# Altium PCB RX5808_TOP.PcbDoc
Units mm, origin at the board's own origin, x right, y up, seen from the top; angles counter-clockwise.
Board outline 34.01 x 28 mm, 2 copper layers (Top Layer, Bottom Layer); 45 components, 42 nets, 189 pads, 160 vias.
Unrouted connection lines stored in the file: 113.
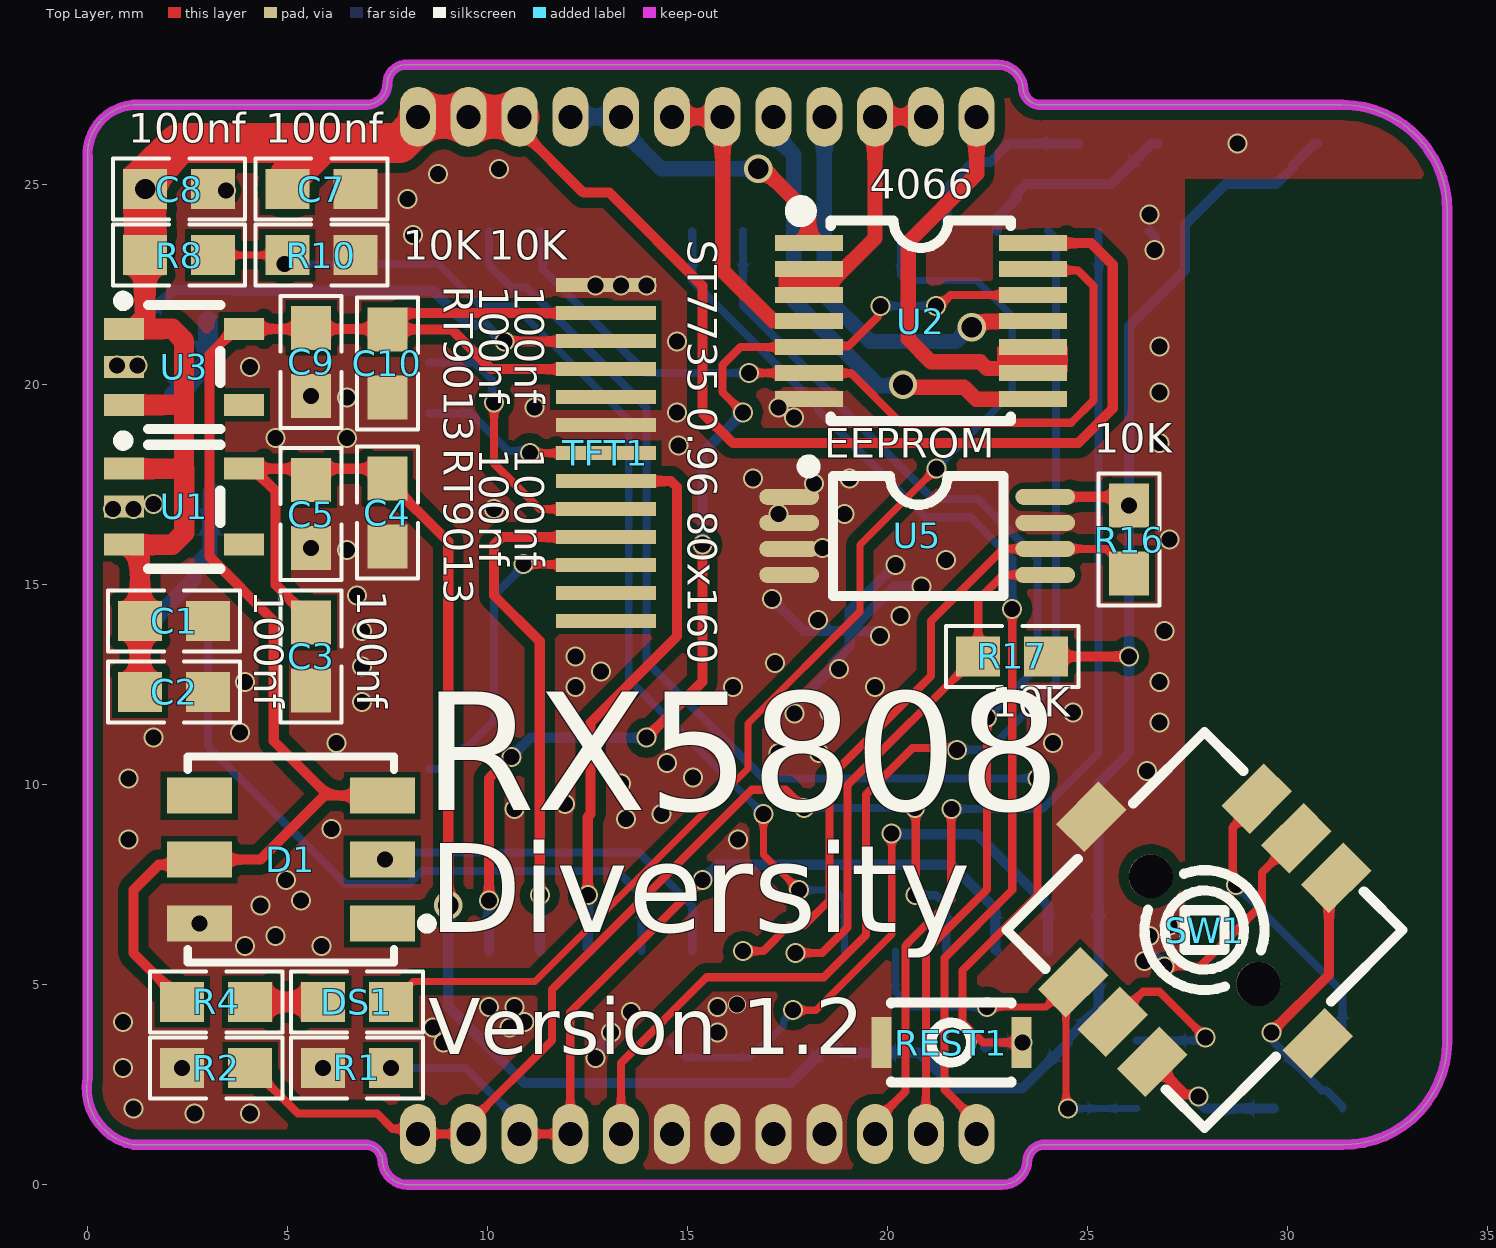
[diagram p0: Top Layer view]
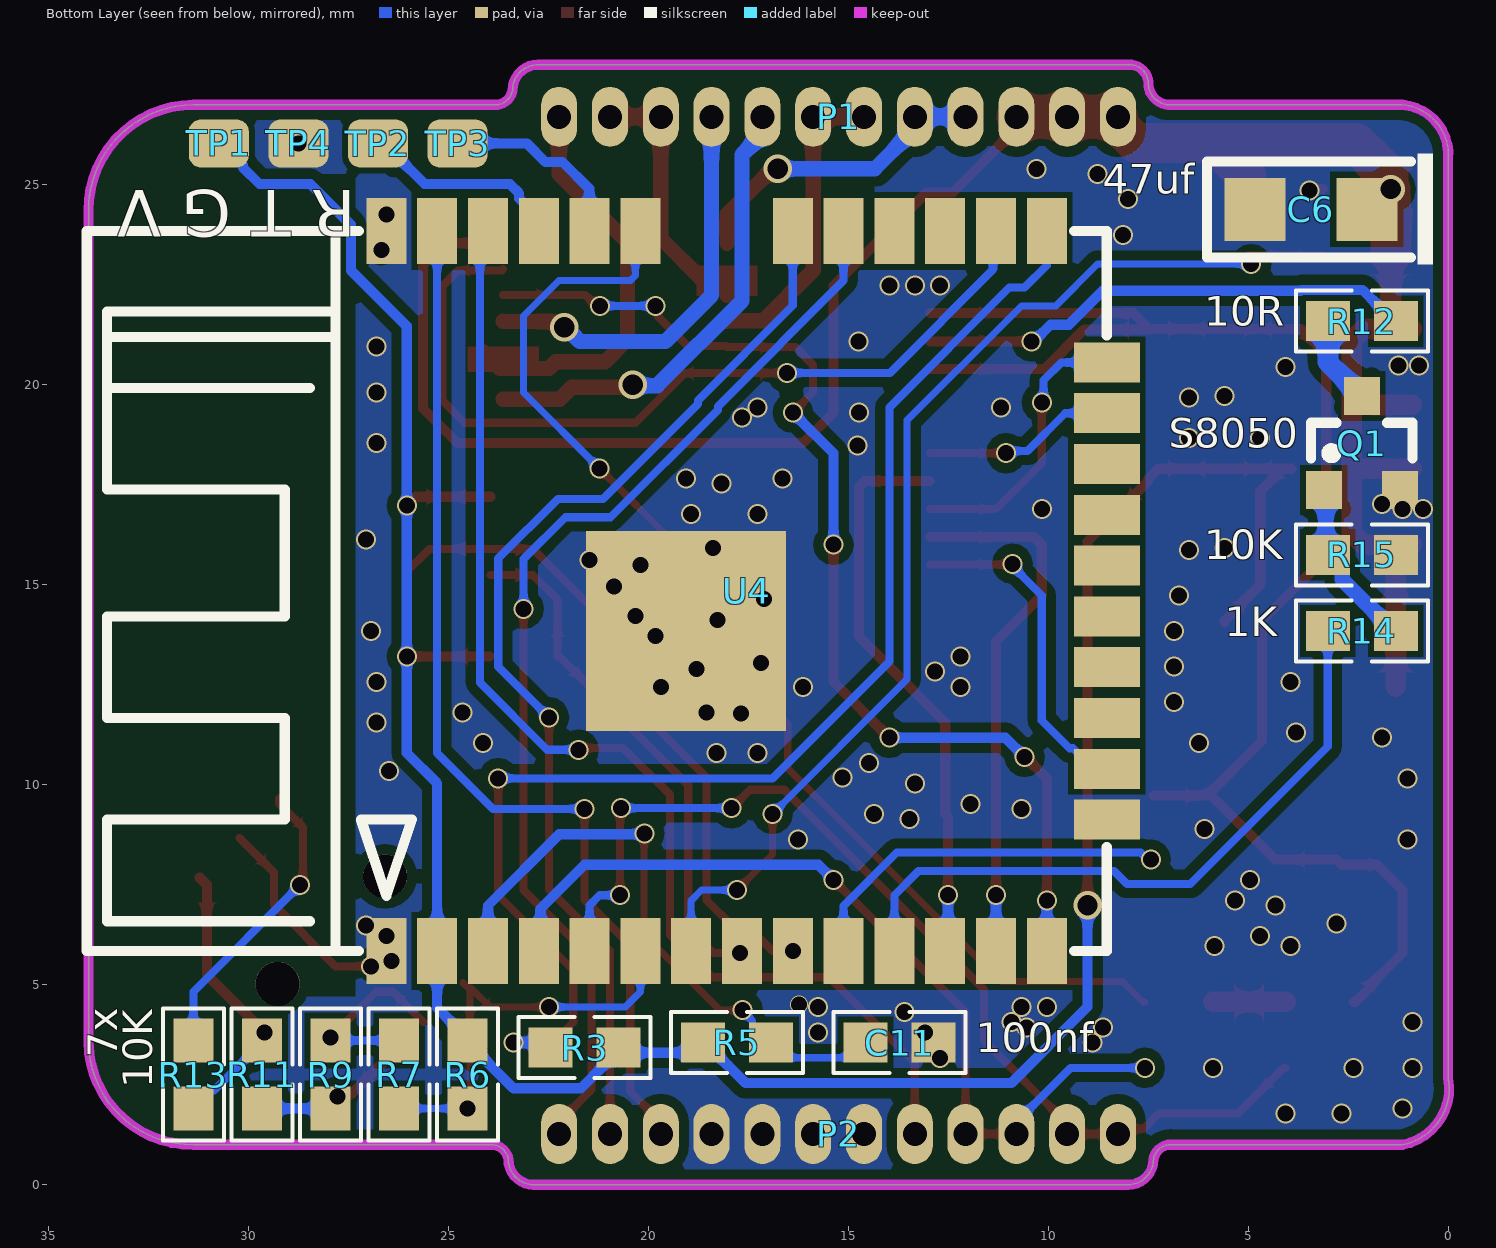
[diagram p1: Bottom Layer view, seen from below]

## Layer stack, top to bottom
Top Solder: solder mask 0.0102, Solder Resist, Dk 3.5
Top Layer: signal copper 0.0356
Dielectric 1: dielectric 0.32, FR-4, Dk 4.8
Bottom Layer: signal copper 0.0356
Bottom Solder: solder mask 0.0102, Solder Resist, Dk 3.5

## Board outline
1.143,1 cw(c1.405,2.405) 0,2.667 0,25.654 cw(c1.244,25.755) 1.143,27 6.985,27 ccw(c6.959,27.533) 7.493,27.559 cw(c7.967,27.525) 8.001,28 22.755,28 cw(c22.755,27.365) 23.39,27.365 ccw(c23.826,27.436) 23.898,27 31.369,27 cw(c31.361,24.37) 33.991,24.361 33.991,14.351 33.991,3.57 cw(c31.395,3.596) 31.369,1 24.003,1 ccw(c23.931,0.564) 23.495,0.635 cw(c22.86,0.635) 22.86,0 8.001,0 cw(c8.001,0.635) 7.366,0.635 ccw(c6.93,0.564) 6.858,1

## Design rules (kind name [scope] priority, off if disabled: settings)
Clearance [All] p1: gap=0.254 ignorepadtopadclearanceinfootprint=FALSE except(0: Arc-Hole Track-Hole SMDPad-Hole THPad-Hole Via-Hole Fill-Hole Poly-Hole Region-Hole Text-Hole; 0.152: Arc-SMDPad Track-SMDPad SMDPad-SMDPad SMDPad-Fill SMDPad-Poly SMDPad-Region)
ComponentClearance [All] p1: gap=0 collisioncheckmode=3 verticalgap=0 showdistances=FALSE
MinimumSolderMaskSliver [All] p1: minsoldermaskwidth=0.152
PolygonConnect [All] p1: connectstyle=Direct reliefconductorwidth=0.254 reliefentries=4 polygonreliefangle="90 Angle" airgapwidth=0.254
RoutingVias [All] p1: holewidth=0.711 width=1.27 viastyle="Through Hole" minholewidth=0.711 minwidth=1.27 maxholewidth=0.711 maxwidth=1.27
SilkToSolderMaskClearance [IsPad] p1: minsilkscreentomaskgap=0 clearancetoexposedcopper=TRUE
SolderMaskExpansion [All] p1: expansion=0.102 istentingtop=FALSE
Width [All] p1: maxlimit=5.08 minlimit=0.152 preferedwidth=0.254
27 further rules are at their usual default settings.

## Components (designator, comment, footprint, x,y, rotation, side; value= is the part's Value field where it differs from the comment)
C1 "Cap" 0603_CAP 2.159,14.097 r180 top value=100nF
C2 "Cap" 0603_CAP 2.159,12.319 r0 top value=100nF
C3 "Cap" 0603_CAP 5.588,13.208 r270 top value=100nF
C4 "Cap" 0603_CAP 7.493,16.803 r90 top value=100nF
C5 "Cap" 0603_CAP 5.588,16.764 r90 top value=100nF
C6 "Cap Pol" CAP-3216 3.429,24.384 r0 bottom value=100uF
C7 "Cap" 0603_CAP 5.842,24.892 r180 top value=100nF
C8 "Cap" 0603_CAP 2.286,24.892 r0 top value=100nF
C9 "Cap" 0603_CAP 5.588,20.574 r270 top value=100nF
C10 "Cap" 0603_CAP 7.493,20.535 r270 top value=100nF
C11 "Cap" 0603_CAP 13.716,3.556 r180 bottom value=100nF
D1 "LED" LED-SMD_6P-L5.0-W5.0-TL 5.079,8.128 r180 top
DS1 "LED" 0603_LED 6.731,4.572 r0 top
P1 "Header 12" HDR1.27-1x12 22.225,26.7 r180 bottom
P2 "Header 12" HDR1.27-1x12 22.225,1.27 r180 bottom
Q1 "SS8050" SOT23A 2.159,18.415 r180 bottom
R1 "1M" 0603_RES 6.731,2.921 r180 top
R2 "1M" 0603_RES 3.214,2.921 r180 top
R3 "10K" 0603_RES 21.59,3.429 r180 bottom
R4 "1K" 0603_RES 3.214,4.572 r180 top
R5 "10K" 0603_RES 17.78,3.556 r180 bottom
R6 "10K" 0603_RES 24.511,2.755 r270 bottom
R7 "10K" 0603_RES 26.226,2.755 r270 bottom
R8 "10K" 0603_RES 2.286,23.241 r180 top
R9 "10K" 0603_RES 27.94,2.755 r90 bottom
R10 "10K" 0603_RES 5.842,23.241 r180 top
R11 "10K" 0603_RES 29.654,2.755 r270 bottom
R12 "10" 0603_RES 2.159,21.59 r180 bottom
R13 "10K" 0603_RES 31.369,2.755 r270 bottom
R14 "1K" 0603_RES 2.159,13.843 r180 bottom
R15 "10K" 0603_RES 2.159,15.748 r180 bottom
R16 "10K" 0603_RES 26.035,16.129 r270 top
R17 "10K" 0603_RES 23.114,13.208 r180 top
REST1 "Jumper" SW-SMD_ST-1195 21.59,3.556 r180 top
SW1 "7*7*5-6P WX" SW-SMD_8P-L7.0-W7.0-P1.40-LS7.4-TL 27.922,6.367 r45 top locked
TFT1 "IPS0.96_80x160" IPS-0.96 12.573,18.291 r0 top locked
TP1 "TEST" TEST1.0 30.734,26.035 r270 bottom
TP2 "TEST" TEST1.0 26.755,26.035 r270 bottom
TP3 "TEST" TEST1.0 24.765,26.035 r270 bottom
TP4 "TEST" TEST1.0 28.744,26.035 r270 bottom
U1 "RT9013" SOT-23-5_L3.0-W1.7-P0.95-LS2.8-TL 2.413,16.952 r0 top
U2 "74HC4066" TSSOP-14_L5.0-W4.4-P0.65-LS6.4-BL 20.828,21.59 r270 top
U3 "RT9013" SOT-23-5_L3.0-W1.7-P0.95-LS2.8-TL 2.413,20.447 r0 top
U4 "ESP-32S" WIFIM-SMD_ESP-32S 17.54,14.843 r180 bottom locked
U5 "24C64" TSSOP-8_L4.4-W3.0-P0.65-LS6.4-BL-2 20.701,16.256 r0 top

## Footprints (in the part's own frame and the unit in brackets; to place one, negate y for a bottom-side part, rotate by r counter-clockwise, add the part's x,y. Pads: shape width x height; smd on the part's side, far side on the other; paste and mask are expansions set on the pad)
0603_CAP [mm]
  rect 1.1x1 smd: 1(-0.85,0) 2(0.85,0)
  silkscreen extent -1.65,-0.76 1.65,0.76, body extent -0.77,-0.4 0.83,0.41, height 0.88
0603_LED [mm]
  rect 1.1x1 smd: 1(-0.85,0) 2(0.85,0)
  silkscreen extent -1.65,-0.76 1.65,0.76, body extent -0.8,-0.4 0.8,0.4, height 0.6
0603_RES [mm]
  rect 1.1x1 smd: 1(-0.85,0) 2(0.85,0)
  silkscreen extent -1.65,-0.76 1.65,0.76, body extent -0.8,-0.4 0.8,0.4, height 0.45
CAP-3216 [mil] "钽电容"
  rect 60x61.81 smd: 1(-55,0) 2(55,0)
  silkscreen extent -120,-55 102,54, body extent -67,-35 67,35, height 71
HDR1.27-1x12 [mm]
  oval 0.9x1.5 hole 0.6: 1(0,0) 2(1.27,0) 3(2.54,0) 4(3.81,0) 5(5.08,0) 6(6.35,0) 7(7.62,0) 8(8.89,0) 9(10.16,0) 10(11.43,0) 11(12.7,0) 12(13.97,0)
  body extent -0.63,-1.2 14.61,1.2, height 5
IPS-0.96 [mm] "Connector; FH12 Series; 20 Position; 0.5mm Spaced Bottom Contact"
  rect 2.5x0.35 smd: 1(0.381,-4.2) 2(0.381,-3.5) 3(0.381,-2.8) 4(0.381,-2.1) 5(0.381,-1.4) 6(0.381,-0.7) 7(0.381,0) 8(0.381,0.7) 9(0.381,1.4) 10(0.381,2.1) 11(0.381,2.8) 12(0.381,3.5) 13(0.381,4.2)
LED-SMD_6P-L5.0-W5.0-TL [mm]
  rect 1.625x0.896 smd: 1(-2.287,1.6) 2(-2.287,0) 3(-2.287,-1.6) 4(2.287,-1.6) 5(2.287,0) 6(2.287,1.6)
  silkscreen extent -3.53,-2.58 2.58,2.58, body extent -2.7,-2.47 2.7,2.48, height 1.6
SOT23A [mm]
  rect 0.9x0.95 smd: 1(-0.95,-1.048) 2(0.95,-1.048) 3(0,1.302)
  silkscreen extent -1.27,-0.25 1.27,0.64, body extent -1.46,-1.12 1.46,1.35, height 1
SOT-23-5_L3.0-W1.7-P0.95-LS2.8-TL [mm]
  rect 1x0.55 smd: 1(-1.5,0.95) 2(-1.5,0) 3(-1.5,-0.95) 4(1.5,-0.95) 5(1.5,0.95)
  silkscreen extent -1.65,-1.55 0.9,1.78, body extent -1.4,-1.5 1.4,1.5, height 1.15
SW-SMD_8P-L7.0-W7.0-P1.40-LS7.4-TL [mm]
  rect 1.5x1 smd: 1(-3.25,1.4) 2(-3.25,0) 3(-3.25,-1.4) 4(3.25,-1.4) 5(3.25,0) 6(3.25,1.4) 7(0,4) 8(0,-4)
  round 1.1 hole 1.1 unplated: ""(0,1.9) ""(0,-1.9)
  silkscreen extent -3.5,-3.5 3.5,3.5, body extent -3.75,-4.1 3.75,4.1, height 5.9
SW-SMD_ST-1195 [mm]
  rect 0.5x1.27 smd: 1(-1.75,0) 2(1.75,0)
  silkscreen extent -1.5,-1 1.5,1, body extent -1.75,-0.98 1.75,1.02, height 0.46
TEST1.0 [mm]
  rrect50% 1.2x1.5 smd: 1(0,0)
TSSOP-8_L4.4-W3.0-P0.65-LS6.4-BL-2 [mm]
  oval 1.5x0.4 smd: 1(-3.163,0.942) 2(-3.163,0.292) 3(-3.163,-0.358) 4(-3.163,-1.008) 5(3.238,-1.008) 6(3.238,-0.358) 7(3.238,0.292) 8(3.238,0.942)
  silkscreen extent -2.83,-1.53 2.2,1.85, body extent -3.2,-1.5 3.2,1.5, height 1.2
TSSOP-14_L5.0-W4.4-P0.65-LS6.4-BL [mm]
  rect 0.4x1.7 smd: 1(-1.95,-2.8) 2(-1.3,-2.8) 3(-0.65,-2.8) 4(0,-2.8) 5(0.65,-2.8) 6(1.3,-2.8) 7(1.95,-2.8) 8(1.95,2.8) 9(1.3,2.8) 10(0.65,2.8) 11(0,2.8) 12(-0.65,2.8) 13(-1.3,2.8) 14(-1.95,2.8)
  silkscreen extent -2.95,-3.2 2.5,2.25, body extent -2.5,-3.2 2.5,3.2, height 1.03
WIFIM-SMD_ESP-32S [mm]
  rect 1x1.65 smd: 1(-9.005,-9) 2(-7.735,-9) 3(-6.465,-9) 4(-5.195,-9) 5(-3.925,-9) 6(-2.655,-9) 7(-1.385,-9) 8(-0.115,-9) 9(1.155,-9) 10(2.425,-9) 11(3.695,-9) 12(4.965,-9) 13(6.235,-9) 14(7.505,-9) 25(7.505,9) 26(6.235,9) 27(4.965,9) 28(3.695,9) 29(2.425,9) 30(1.155,9) 33(-2.655,9) 34(-3.925,9) 35(-5.195,9) 36(-6.465,9) 37(-7.735,9) 38(-9.005,9)
  rect 1.65x1 smd: 15(9.005,-5.715) 16(9.005,-4.445) 17(9.005,-3.175) 18(9.005,-1.905) 19(9.005,-0.635) 20(9.005,0.635) 21(9.005,1.905) 22(9.005,3.175) 23(9.005,4.445) 24(9.005,5.715)
  rect 5x5 smd: 39(-1.51,-1)
  silkscreen extent -16.5,-9 9,9, body extent -16.56,-9.13 8.94,8.87, height 2.91

## Part data
C1 C2 C3 C4 C5 C7 C8 C9 C10 C11: "无极性电容", LatestRevisionDate=17-Jul-2002, LatestRevisionNote="Re-released for DXP Platform.", PackageReference=RAD-0.3, Published=8-Jun-2000, Publisher="Altium Limited"
C6: "极性电解电容", LatestRevisionDate=17-Jul-2002, LatestRevisionNote="Re-released for DXP Platform.", PackageReference=RB7.6-15, Published=8-Jun-2000, Publisher="Altium Limited", Vol=16V
D1: library part WS2812
P1 P2: "Header, 12-Pin", LatestRevisionDate=17-Jul-2002, LatestRevisionNote="Re-released for DXP Platform.", Publisher="Altium Limited"
Q1: "NPN三极管"
R1 R2 R3 R4 R5 R6 R7 R8 R9 R10 R11 R12 R13 R14 R15 R16 R17: library part RES, "电阻"
REST1: "按键", LatestRevisionDate=17-Jul-2002, LatestRevisionNote="Re-released for DXP Platform.", PackageReference=RAD-0.2, Published=24-Mar-1999, Publisher="Altium Limited"
SW1: "五向按键", BOM_JLCPCB Part Class="Extended Part", BOM_Manufacturer="SHOU HAN(首韩)", BOM_Manufacturer Part="7*7*5-6P WX", BOM_Supplier=LCSC, BOM_Supplier Part=C2858286, Contributor=LCSC, spicePre=S, spiceSymbolName="7*7*5-6P WX"
TFT1: "IPS-135x240", BOM名称=1.44寸TFT屏, 学习资源=www.ooocke.com, 版权归属=源创客
TP1 TP2 TP3 TP4: "测试点", BOM名称=测试点, 学习资源=www.ooocke.com, 版权归属=源创客
U1 U3: library part SPX5205, "LDO稳压"
U2: library part SN74HC4066DBR, BOM_JLCPCB Part Class="Extended Part", BOM_Manufacturer=TI, BOM_Manufacturer Part=SN74HC4066DBR, BOM_Supplier=LCSC, BOM_Supplier Part=C6849, spicePre=X, spiceSymbolName=SN74HC4066DBR
U4: BOM_JLCPCB Part Class="Extended Part", BOM_Manufacturer=Ai-Thinker, BOM_Manufacturer Part=ESP-32S, BOM_Supplier=LCSC, BOM_Supplier Part=C82899, Contributor=LCSC, spicePre=U, spiceSymbolName=ESP-32S
U5: library part 24C02, "E2PROM"

## Via types
v1: diameter 0.5, hole 0.4, Top Layer to Bottom Layer, tented both sides, 154 vias
v2: diameter 0.711, hole 0.508, Top Layer to Bottom Layer, tented both sides, 5 vias
v3: diameter 0.45, hole 0.4, Top Layer to Bottom Layer, tented both sides, 1 vias

## Nets (pads, with @x,y where several pads share a name; then routed paths per layer and width w, separated by ;. In a path a pad name is that pad's centre, name@x,y a point inside that pad or via, vN(x,y) a via of type N, cw(c..) or ccw(c..) an arc to the next point about the centre after c; other vN are vias at no path point)
3V3_LCD: C9.1 C10.1 D1.3 D1.5 R4.2 TFT1.10 TFT1.12 U3.5 | length 39
  Top Layer w0.254: R4.2 2.314,4.572 1.941,4.945 1.941,4.995 1.143,5.793 1.143,7.366 1.778,8.001 2.664,8.001 D1.5 4.318,8.128 5.918,9.728 D1.3 ; 6.02,9.728 4.652,11.096 4.652,14.092 3.048,15.697 3.048,20.757 3.688,21.397 U3.5 5.588,21.397 7.481,21.397 C10.1 ; TFT1.10 10.089,20.391 9.095,21.385 C10.1 ; TFT1.12 7.866,21.791 7.493,21.418 C10.1
3V3_MCU: C3.1 C4.2 C5.2 R3.2 R5.1 R6.1 R16.1 R17.1 TP1.1 U1.5 U4.2 U5.8 | length 69.7
  Top Layer w0.254: U1.5 U1.5@4.138,17.902 ; C3.1 5.588,14.108 4.699,14.997 4.699,17.341 U1.5@4.138,17.902 ; v2(9.015,6.986) 9.015,16.081 7.493,17.603 C4.2 7.244,17.902 U1.5@4.138,17.902 ; U5.8 25.816,17.198 v1(26.035,16.979) ; R17.1 v1(26.035,13.208)
  Bottom Layer w0.254: v2(9.015,6.986) 9.015,4.447 10.922,2.54 17.564,2.54 18.58,3.556 R5.1 18.884,3.302 20.79,3.302 21.679,2.413 23.369,2.413 24.511,3.555 R6.1 24.511,3.655 25.275,4.419 U4.2 25.275,10.035 26.035,10.795 v1(26.035,13.208) v1(26.035,16.979) 26.035,21.463 27.432,22.86 27.432,24.003 28.448,25.019 29.718,25.019 30.131,25.432 30.131,25.489 30.678,26.035 TP1.1
5V: C1.2 C2.1 C6.1 C7.2 C8.1 P1.10 P1.11 P1.12 R8.2 U1.1 U1.3 U2.14 U3.1 U3.3 | length 56.7
  Top Layer w0.254: P1.10 10.795,26.4 12.393,24.802 13.044,24.802 15.367,22.479 15.367,19.304 16.129,18.542 24.765,18.542 25.629,19.406 25.629,23.004 25.093,23.54 U2.14
  Top Layer w0.508: U1.3 U1.3@1.138,16.002 ; U1.1 2.408,17.902 ; U3.3 2.352,19.497 2.408,19.441 ; U3.1 U3.1@1.138,21.397 ; C2.1@1.309,12.446 1.309,14.351 1.309,15.831 U1.3@1.138,16.002 ; R8.2 1.436,21.695 U3.1@1.138,21.397 ; U1.3@1.138,16.002 2.115,16.002 2.413,16.3 2.413,17.897 2.408,17.902 ; U3.1@1.138,21.397 2.11,21.397 2.408,21.099 2.408,19.441 ; 2.408,17.902 2.408,19.441
  Top Layer w1: R8.2 v2(1.436,24.892) 1.486,24.892 1.486,25.235 2.295,26.044 5.872,26.044 ; C7.2 5.042,24.892 5.042,25.215 5.872,26.044 ; P1.10 P1.11 P1.12 8.255,26.5 7.799,26.044 5.872,26.044
ADC_BAT: R8.1 R10.2 U4.7 | length 28.1
  Top Layer w0.178: R8.1 R10.2 ; v1(16.891,9.271) 16.891,8.255 v1(17.78,7.366)
  Bottom Layer w0.178: v1(4.923,23.017) 8.763,23.017 9.809,21.971 10.668,21.971 10.968,21.671 13.526,19.113 13.526,12.636 v1(16.891,9.271) ; v1(17.78,7.366) 18.669,7.366 18.925,7.11 U4.7
ADC_KEY: R6.2 R7.2 SW1.1 U4.6 | length 10.6
  Top Layer w0.178: v1(22.479,4.445) 23.957,4.445 SW1.1@24.425,4.913 ; v1(24.511,1.905) 24.457,1.959 24.457,4.882 SW1.1
  Bottom Layer w0.178: U4.6 20.195,4.824 20.574,4.445 v1(22.479,4.445) ; v1(24.511,1.905) R7.2
ADC_RSSI0: P2.9 P2.10 R1.1 U4.4 | length 22.1
  Top Layer w0.203: P2.10 P2.9 12.065,4.318 v1(15.367,7.62)
  Bottom Layer w0.203: v1(7.581,2.921) 9.444,2.921 10.795,1.57 P2.10
  Bottom Layer w0.254: v1(15.367,7.62) 15.748,8.001 21.59,8.001 22.691,6.9 22.691,5.887 U4.4
ADC_RSSI1: P2.11 P2.12 R2.1 U4.5 | length 26.2
  Top Layer w0.203: R2.1 4.114,2.921 5.257,1.778 7.239,1.778 7.619,1.398 8.127,1.398 P2.12 P2.11 9.525,1.524 11.608,3.607 11.608,4.877 16.608,9.877 17.447,9.877 17.908,9.415 v1(17.914,9.415) ; v1(20.684,9.415) 20.701,9.398 v1(20.701,7.239)
  Bottom Layer w0.203: v1(17.914,9.415) v1(20.684,9.415) v1@20.701,9.398 ; v1(20.701,7.239) 21.209,7.239 21.465,6.983 U4.5
AUDIO: P1.1 U2.9 U2.10 | length 10.4
  Top Layer w0.381: P1.1 22.225,25.273 20.515,23.563 20.515,21.142 21.082,20.574 22.314,20.574 22.479,20.409 23.711,20.409 U2.10@24.13,20.828
AUDIO0: P1.5 U2.8 | length 11.8
  Top Layer w0.381: v2(20.384,20.003) 20.447,19.94 20.818,19.94 21.908,19.939 22.206,19.64 U2.8
  Bottom Layer w0.381: P1.5 17.145,26.26 17.653,25.752 17.653,22.098 19.774,19.977 20.358,19.977 v2(20.384,20.003)
AUDIO1: P1.4 U2.11 | length 10.4
  Top Layer w0.381: v2(22.098,21.438) 22.187,21.438 22.33,21.581 23.619,21.581 U2.11
  Bottom Layer w0.381: P1.4 18.415,22.234 19.567,21.082 21.71,21.082 22.066,21.438 v2(22.098,21.438)
BEEP: P2.8 U4.36 | length 30.1
  Top Layer w0.203: P2.8 13.335,3.048 15.476,5.189 18.404,5.189 19.456,6.242 19.456,9.754 20.625,10.922 21.688,10.922 v1(21.736,10.875)
  Bottom Layer w0.203: v1(21.736,10.875) 22.526,10.875 24.206,12.555 24.206,23.642 U4.36
GND: C1.1 C2.2 C3.2 C4.1 C5.1 C6.2 C7.1 C8.2 C9.2 C10.2 C11.2 D1.6 P2.4 P2.5 P2.6 P2.7 Q1.2 R1.2 R2.2 R10.1 R15.2 REST1.2 SW1.5 SW1.7 TFT1.8 TFT1.13 TP4.1 U1.2 U2.7 U3.2 U4.1 U4.15 U4.38 U4.39 U5.1 U5.2 U5.3 U5.4 U5.7 | length 17.6
  Top Layer w0.203: v1(26.924,5.461) 27.813,5.461 29.357,7.005 29.357,7.803 SW1.5
  Top Layer w0.254: C8.2 3.429,24.892 v1(3.461,24.86)
  Bottom Layer w0.254: v1(12.7,3.175) 12.866,3.341 C11.2 ; v1(17.107,14.643) 17.907,13.843 U4.39@18.542,13.843 ; v1(17.676,11.788) 17.676,11.987 U4.39@18.638,12.948 ; v1(18.263,14.122) U4.39@18.542,13.843 ; v1(18.788,12.899) 18.638,13.05 19.05,13.462 U4.39 ; v1(19.812,13.716) 19.685,13.843 U4.39 ; v1(20.193,15.494) 19.05,14.351 U4.39 ; v1(20.851,14.963) 20.17,14.963 U4.39 ; U4.1 26.924,5.464 v1(26.924,5.461) ; U4.38 26.67,23.718 v1(26.67,23.368) ; U4.39@18.542,13.843 U4.39
  other v1: 2.667,1.778 4.064,1.778 1.143,1.905 0.889,2.921 2.364,2.921 5.881,2.921 8.89,3.556 13.081,3.81 15.748,3.81 8.634,3.935 10.541,3.937 0.889,4.064 10.922,4.064 13.586,4.32 10.033,4.445 10.668,4.445 15.748,4.445 26.416,5.588 3.937,5.969 5.842,5.969 4.699,6.223 26.543,6.223 27.051,6.477 2.791,6.528 4.318,6.985 5.334,7.112 4.953,7.62 1.016,8.636 16.256,8.636 6.096,8.89 13.462,9.144 14.351,9.271 10.668,9.398 11.938,9.525 13.335,10.033 1.016,10.16 15.138,10.185 26.481,10.349 14.478,10.541 17.272,10.795 18.288,10.795 6.223,11.049 24.13,11.049 1.651,11.176 3.81,11.303 26.797,11.557 18.542,11.811 24.638,11.811 6.858,12.065 12.192,12.446 16.129,12.446 19.685,12.446 3.937,12.573 26.797,12.573 12.827,12.827 6.858,12.954 17.183,13.043 12.192,13.208 6.858,13.843 26.924,13.843 20.32,14.224 6.731,14.732 21.463,15.621 6.477,15.875 5.588,15.914 18.377,15.913 27.051,16.129 17.272,16.764 18.923,16.764 0.635,16.891 1.143,16.891 10.16,16.891 1.651,17.018 18.161,17.526 16.637,17.653 19.05,17.653 14.768,18.488 26.797,18.542 4.699,18.669 6.477,18.669 17.653,19.177 14.732,19.304 11.176,19.431 17.272,19.431 6.477,19.685 5.588,19.724 26.797,19.812 4.064,20.447 0.732,20.477 1.24,20.477 26.797,20.955 14.736,21.082 12.7,22.479 13.335,22.479 13.97,22.479 8.128,23.749 26.543,24.257 8.001,24.638 8.763,25.273 10.287,25.4 28.744,26.035
  other v3: 16.235,4.512
GPIO0: R3.1 REST1.1 U4.25 | length 33.2
  Top Layer w0.203: v1(23.368,3.556) 22.381,3.556 21.873,4.064 21.873,5.363 23.749,7.239 v1(23.749,10.16)
  Bottom Layer w0.203: U4.25 10.035,22.985 10.592,22.428 10.973,22.428 13.97,19.431 13.97,13.081 16.891,10.16 v1(23.749,10.16)
  Bottom Layer w0.254: R3.1 22.567,3.556 v1(23.368,3.556)
GPIO2: TFT1.5 U4.24 | length 7.1
  Top Layer w0.203: v1(10.16,19.558) 10.16,18.034 11.303,16.891 TFT1.5
  Bottom Layer w0.203: U4.24 9.668,20.558 10.113,20.113 10.113,19.605 v1(10.16,19.558)
GPIO13: TFT1.3 U4.16 | length 8.4
  Top Layer w0.203: v1(10.892,15.524) 10.909,15.507 12.938,15.507 TFT1.3
  Bottom Layer w0.203: U4.16 8.86,10.398 9.376,10.914 9.465,10.914 10.16,11.608 10.16,14.732 v1@10.922,15.494
GPIO14: TFT1.4 U4.13 | length 13.5
  Top Layer w0.254: v1(11.303,7.239) 11.303,13.589 10.16,14.732 10.16,16.002 10.349,16.191 TFT1.4
  Bottom Layer w0.254: v1(11.303,7.239) 11.303,5.845 U4.13
GPIO15: TFT1.7 U4.23 | length 4.8
  Top Layer w0.203: v1(11.052,18.291) TFT1.7
  Bottom Layer w0.203: U4.23 9.574,19.288 10.514,18.348 10.995,18.348 v1(11.052,18.291)
GPIO26: R14.1 U4.11 | length 16.9
  Bottom Layer w0.203: R14.1 3.009,10.961 6.448,7.522 8.03,7.522 8.353,7.845 13.237,7.845 13.845,7.237 U4.11
GPIO27: TFT1.6 U4.12 | length 14.4
  Top Layer w0.254: v1(12.503,7.239) 12.503,9.198 12.573,9.268 12.573,11.557 14.732,13.716 14.732,17.442 14.583,17.591 TFT1.6
  Bottom Layer w0.254: v1(12.503,7.239) 12.503,5.915 U4.12
K1: R7.1 R9.2 SW1.2 | length 4.8
  Top Layer w0.203: SW1.2 26.38,4.826 26.797,4.826 v1(27.94,3.683)
  Bottom Layer w0.203: R7.1 R9.2
K2: R9.1 R11.2 SW1.3 | length 3.6
  Top Layer w0.254: SW1.3 27.439,2.253 27.719,2.253 v1(27.766,2.206)
  Bottom Layer w0.254: v1(27.766,2.206) 27.766,2.079 R9.1 R11.2
K3: R11.1 R13.2 SW1.4 | length 7
  Top Layer w0.254: v1(29.591,3.81) 31.033,5.252 31.033,7.498 SW1.4
  Bottom Layer w0.203: R11.1 29.654,3.555 30.856,2.353 30.971,2.353 31.369,1.955 R13.2
K4: R13.1 SW1.6 | length 7.4
  Top Layer w0.203: v1(28.702,7.493) 28.702,7.573 28.628,7.647 28.628,8.933 29.23,9.535 SW1.6
  Bottom Layer w0.203: v1(28.702,7.493) 31.369,4.826 R13.1
LED0: DS1.2 U4.33 | length 29.8
  Top Layer w0.178: DS1.2 7.631,4.572 8.139,5.08 11.182,5.08 14.944,8.842 16.51,10.408 16.51,11.531 19.304,14.325 19.304,15.993 v1(21.222,17.911)
  Bottom Layer w0.178: U4.33 20.32,23.718 20.32,22.733 20.447,22.606 22.225,22.606 23.114,21.717 23.114,19.803 v1(21.222,17.911)
LED_STRIP: D1.2 U4.10 | length 9.5
  Top Layer w0.203: D1.2 v1(7.432,8.128)
  Bottom Layer w0.203: v1(7.432,8.128) 7.513,8.128 7.687,8.302 13.786,8.302 15.115,6.973 U4.10
NetC11_1: C11.1 R5.2 U4.3 | length 15.3
  Top Layer w0.178: v1(17.636,4.363) 18.206,4.363 20.102,6.259 20.102,8.78 v1(20.095,8.786)
  Bottom Layer w0.178: C11.1 14.947,3.175 16.549,3.175 R5.2 ; R5.2@16.98,3.556 17.391,3.967 17.391,4.097 17.636,4.342 v1(17.636,4.363)
  Bottom Layer w0.254: v1(20.095,8.786) 20.119,8.763 22.225,8.763 24.005,6.983 U4.3
NetDS1_1: DS1.1 R4.1 | length 1.8
  Top Layer w0.508: R4.1 DS1.1
NetQ1_1: Q1.1 R14.2 R15.1 | length 4.3
  Bottom Layer w0.381: R14.2 1.359,13.843 2.649,15.133 2.649,15.438 2.959,15.748 R15.1 3.059,15.798 3.059,17.317 Q1.1
NetQ1_3: Q1.3 R12.1 | length 2.2
  Bottom Layer w0.508: Q1.3 2.159,19.742 2.355,19.938 2.38,19.938 3.009,20.567 R12.1
NetR12_2: R12.2 TFT1.11 | length 12.5
  Top Layer w0.254: v1(10.417,21.085) 12.948,21.085 TFT1.11
  Bottom Layer w0.254: R12.2 1.359,21.59 2.138,22.369 3.675,22.369 3.692,22.352 8.636,22.352 9.487,21.501 9.941,21.501 10.357,21.085 v1(10.417,21.085)
RXD: TP3.1 U4.34 | length 4.8
  Bottom Layer w0.254: U4.34 21.471,23.849 21.471,24.9 22.14,25.569 22.569,25.569 23.035,26.035 TP3.1
SCL: R16.2 U4.9 U5.6 | length 16.7
  Top Layer w0.203: v1(16.383,5.842) 16.891,5.842 17.526,6.477 17.907,6.477 18.542,7.112 18.542,10.183 21.082,12.723 21.082,14.097 22.883,15.898 U5.6 25.466,15.898 26.035,15.329 R16.2
SDA: R17.2 U4.8 U5.5 | length 13.1
  Top Layer w0.203: v1(17.7,5.795) 18.363,5.795 18.999,6.431 18.999,9.993 22.214,13.208 R17.2 22.264,14.627 22.884,15.248 U5.5
  Bottom Layer w0.254: U4.8 17.655,5.84 v1(17.7,5.795)
SPI2_CS: P2.1 U4.29 | length 27.6
  Top Layer w0.203: P2.1 22.225,1.57 21.416,2.379 21.416,5.668 23.114,7.366 v1(23.114,14.398)
  Bottom Layer w0.203: U4.29 15.115,22.604 18.259,19.46 18.259,19.372 20.943,16.688 22.068,16.688 23.114,15.642 v1(23.114,14.398)
SPI2_MOSI: P2.3 U4.37 | length 26.2
  Top Layer w0.203: P2.3 19.685,1.57 20.447,2.332 20.447,5.969 20.498,6.02 20.498,6.031 20.502,6.036 20.502,6.047 21.59,7.135 v1(21.59,9.398)
  Bottom Layer w0.203: v1(21.59,9.398) 23.876,9.398 25.275,10.797 U4.37
SPI2_SCK: P2.2 U4.30 | length 27.4
  Top Layer w0.203: P2.2 20.955,5.842 20.959,5.846 20.959,5.858 22.479,7.378 v1(22.479,11.684)
  Bottom Layer w0.203: U4.30 16.385,21.98 18.758,19.607 18.758,19.519 21.132,17.145 22.258,17.145 23.749,15.654 23.749,12.954 23.368,12.573 v1(22.479,11.684)
TXD: TP2.1 U4.35 | length 5.2
  Bottom Layer w0.254: U4.35 22.735,24.168 23.226,24.658 23.226,24.784 23.461,25.019 25.589,25.019 26.605,26.035 TP2.1
VIDEO: P1.2 P1.3 U2.2 U2.3 | length 6.7
  Top Layer w0.381: U2.3 18.028,22.565 18.588,22.565 19.685,23.662 P1.3 P1.2
VIDEO0: P1.8 P1.9 U2.1 | length 7.9
  Top Layer w0.381: v2(16.764,25.4) 16.827,25.337 16.954,25.337 18.028,24.263 U2.1
  Bottom Layer w0.381: P1.9 P1.8 13.335,26.4 14.335,25.4 v2(16.764,25.4)
VIDEO1: P1.6 P1.7 U2.4 | length 7.8
  Top Layer w0.381: P1.7 P1.6 15.875,22.858 17.133,21.599 18.018,21.599 U2.4
VIDEO_SWITCH0: U2.6 U2.13 U4.26 | length 21.1
  Top Layer w0.203: v1(16.533,20.3) 16.538,20.295 18.023,20.295 U2.6 19.08,20.29 20.32,19.05 24.591,19.05 25.146,19.605 25.146,22.467 24.753,22.86 23.658,22.86 U2.13
  Bottom Layer w0.203: U4.26 11.376,23.772 11.376,22.878 13.959,20.296 16.529,20.296 v1(16.533,20.3)
VIDEO_SWITCH1: U2.5 U2.12 U4.14 | length 27.7
  Top Layer w0.203: v1(16.383,19.304) 15.875,19.812 15.875,20.498 16.317,20.94 U2.5 18.057,20.97 19.017,20.97 19.753,21.706 19.753,21.906 v1(19.82,21.973) ; v1(21.209,21.971) 21.303,21.971 21.572,22.24 U2.12
  Top Layer w0.254: v1(10.033,7.112) 10.033,10.16 v1@10.541,10.668 ; v1(13.97,11.176) 15.367,12.573 v1(15.367,16.002)
  Bottom Layer w0.203: v1(19.82,21.973) 19.821,21.972 v1@21.208,21.972 ; v1@21.208,21.972 v1(21.209,21.971)
  Bottom Layer w0.254: v1(10.033,7.112) 10.033,5.845 U4.14 ; v1(10.591,10.695) 11.071,11.176 v1(13.97,11.176) ; v1(15.367,16.002) 15.367,18.288 v1(16.383,19.304)
pads on no net: D1.1 D1.4 SW1. SW1.8 TFT1.1 TFT1.2 TFT1.9 U1.4 U3.4 U4.17 U4.18 U4.19 U4.20 U4.21 U4.22 U4.27 U4.28

## Polygon pours and split planes (outlines as drawn)
GND on Top Layer "Top Layer-GND" (solid, remove dead copper, pour order 4): -0.191,0.064 -0.191,28.131 34.227,28.131 34.227,-0.063
GND on Bottom Layer "Bottom Layer-GND" (solid, remove dead copper, pour order 2): -0.041,0.317 -0.041,28.253 34.077,28.253 34.077,0.191

## Keep-outs
Keep-Out Layer:
  lines w0.254: 6.858,1 cw(c6.93,0.563) 7.366,0.635 ccw(c8.001,0.635) 8.001,0 22.86,0 ccw(c22.86,0.635) 23.495,0.635 cw(c23.932,0.564) 24.003,1 ; 6.985,1 1.143,1 cw(c1.405,2.405) 0,2.667 0,25.654 cw(c1.244,25.755) 1.143,27 6.985,27 ccw(c6.959,27.533) 7.493,27.559 cw(c7.968,27.525) 8.001,28 22.755,28 cw(c22.755,27.365) 23.39,27.365 ccw(c23.826,27.436) 23.898,27 ; 23.771,27 31.369,27 cw(c31.361,24.369) 33.991,24.361 33.991,23.495 33.991,14.351 ; 23.876,1 31.369,1 ccw(c31.395,3.596) 33.991,3.57 33.991,14.351 ; 33.991,14.351 33.991,14.351

## Other copper
Top Layer:
  rectangle net AUDIO: 22.733,20.32 24.511,20.955
  rectangle net VIDEO: 17.272,22.225 18.796,22.987
  pour cut-out: 33.991,4.699 33.991,25.146 27.432,25.146 27.432,4.699
Bottom Layer:
  pour cut-out: 33.991,4.699 33.991,25.273 27.305,25.273 27.305,4.699

## Silkscreen, mask and mechanical layers (free items; w line width, h text height)
Top Overlay:
  text "100nf" at 1.016,25.796 h1.27
  text "100nf" at 4.445,25.796 h1.27
  text "4066" at 19.558,24.399 h1.27
  text "ST7735 0.96 80x160" at 14.747,23.622 h1.27 r270
  text "10K" at 7.874,22.875 h1.27
  text "10K" at 10.033,22.875 h1.27
  text "RT9013" at 8.651,22.479 h1.27 r270
  text "100nf" at 9.54,22.479 h1.27 r270
  text "100nf" at 10.429,22.479 h1.27 r270
  text "RT9013" at 8.651,18.415 h1.27 r270
  text "100nf" at 9.54,18.415 h1.27 r270
  text "100nf" at 10.429,18.415 h1.27 r270
  text "10K" at 25.146,18.049 h1.27
  text "EEPROM" at 18.415,17.922 h1.27
  text "100nf" at 3.915,14.859 h1.27 r270
  text "100nf" at 6.492,14.859 h1.27 r270
  text "10K" at 22.606,11.445 h1.27
  text "RX5808" at 8.382,8.382 h5.08
  text "Diversity" at 8.509,5.588 h3.81
  text "Version 1.2" at 8.509,2.794 h2.41
Bottom Overlay:
  text "R T G V" at 27.305,25.249 h2 r180
  text "47uf" at 8.636,24.524 h1.27
  text "10R" at 6.096,21.224 h1.27
  text "S8050" at 6.985,18.176 h1.27
  text "10K" at 6.096,15.382 h1.27
  text "1K" at 5.588,13.462 h1.27
  text "7x" at 33.02,3.175 h1.27 r270
  text "100nf" at 11.811,3.063 h1.27
  text "10K" at 32.146,2.413 h1.27 r270